# KiCad board Register File.kicad_pcb (continued)
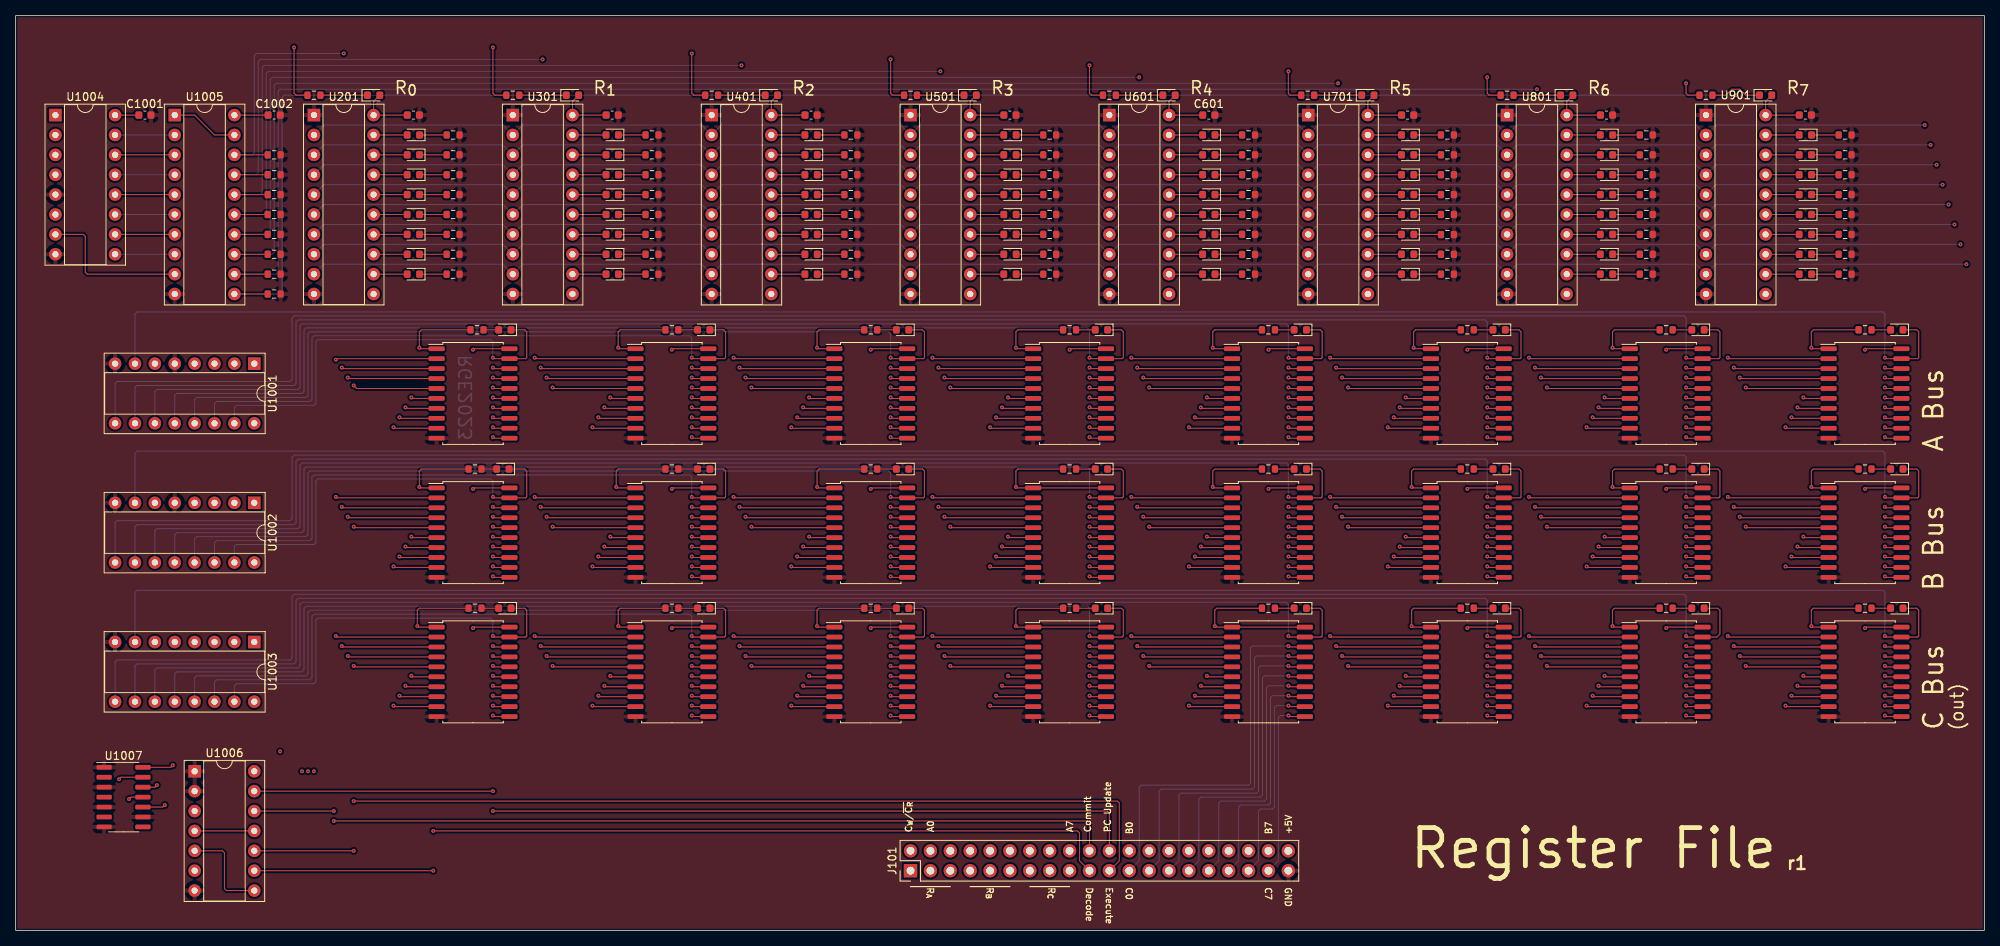
[diagram p0: board, top side]
## Routing (per net, layer and track width the routed paths; a pad name or vN(x,y) marks a point on that pad's centre or on a via; arc(x,y) is an arc through that point) (continued)
/Register 0/C0: length 532.5
  Top w0.127: v1(238.76,36.32) 238.89,36.19 U904.18 ; U304.18 86.49,36.19 v1(86.36,36.32) ; v1(137.16,36.32) 137.29,36.19 U504.18 ; v1(162.56,36.32) 162.69,36.19 U604.18 ; v1(213.36,36.32) 213.49,36.19 U804.18 ; U704.18 188.09,36.19 v1(187.96,36.32) ; U204.18 61.09,36.19 v1(60.96,36.32) ; U404.18 111.89,36.19 v1(111.76,36.32)
  In1.Cu w0.127: v1(238.76,36.32) 243.59,36.32 243.84,36.58 v1(243.84,102.87)
  In2.Cu w0.127: v1(238.76,36.32) 238,37.08 219.2,37.08 218.69,36.58 213.61,36.58 v1(213.36,36.32) 212.6,37.08 193.8,37.08 193.29,36.58 188.21,36.58 v1(187.96,36.32) 187.2,37.08 168.4,37.08 167.89,36.58 162.81,36.58 v1(162.56,36.32) 161.8,37.08 142.75,37.08 142.24,36.58 137.41,36.58 v1(137.16,36.32) 136.4,37.08 117.6,37.08 117.09,36.58 112.01,36.58 v1(111.76,36.32) 111,37.08 92.2,37.08 91.69,36.58 86.61,36.58 v1(86.36,36.32) 85.6,37.08 66.8,37.08 66.29,36.58 61.21,36.58 v1(60.96,36.32)
  Bottom w0.127: U201.2 39.37,102.87 62.23,102.87 U301.2 64.77,102.87 87.63,102.87 U401.2 90.17,102.87 113.03,102.87 U501.2 115.57,102.87 138.43,102.87 U601.2 140.97,102.87 163.83,102.87 U701.2 166.37,102.87 189.23,102.87 U801.2 191.77,102.87 214.63,102.87 U901.2 217.17,102.87 v1(243.84,102.87) ; J101.23 143.51,8.89 143.51,18.29 143.76,18.54 157.48,18.54 157.73,18.8 157.73,36.07 157.99,36.32 v1(162.56,36.32)
/Register 0/C1: length 528.9
  Top w0.127: U704.17 188.09,34.92 v1(187.96,35.05) ; U204.17 61.09,34.92 v1(60.96,35.05) ; v1(162.56,35.05) 162.69,34.92 U604.17 ; v1(86.36,35.05) 86.49,34.92 U304.17 ; v1(111.76,35.05) 111.89,34.92 U404.17 ; U504.17 137.29,34.92 v1(137.16,35.05) ; U904.17 238.89,34.92 v1(238.76,35.05) ; v1(213.36,35.05) 213.49,34.92 U804.17
  In1.Cu w0.127: v1(244.6,100.33) 244.6,35.31 244.35,35.05 v1(238.76,35.05)
  In2.Cu w0.127: v1(238.76,35.05) 238,35.81 219.96,35.81 219.46,35.31 213.61,35.31 v1(213.36,35.05) 212.6,35.81 194.56,35.81 194.06,35.31 188.21,35.31 v1(187.96,35.05) 187.2,35.81 169.16,35.81 168.66,35.31 162.81,35.31 v1(162.56,35.05) 161.8,35.81 143.76,35.81 143.26,35.31 137.41,35.31 v1(137.16,35.05) 136.4,35.81 118.36,35.81 117.86,35.31 112.01,35.31 v1(111.76,35.05) 111,35.81 92.96,35.81 92.46,35.31 86.61,35.31 v1(86.36,35.05) 85.6,35.81 67.56,35.81 67.06,35.31 61.21,35.31 v1(60.96,35.05)
  Bottom w0.127: v1(162.56,35.05) 158.5,35.05 158.24,34.8 158.24,18.29 157.99,18.03 146.3,18.03 146.05,17.78 146.05,8.89 J101.25 ; U201.3 39.37,100.33 62.23,100.33 U301.3 64.77,100.33 87.63,100.33 U401.3 90.17,100.33 113.03,100.33 U501.3 115.57,100.33 138.43,100.33 U601.3 140.97,100.33 163.83,100.33 U701.3 166.37,100.33 189.23,100.33 U801.3 191.77,100.33 214.63,100.33 U901.3 217.17,100.33 v1(244.6,100.33)
/Register 0/C2: length 525.4
  Top w0.127: v1(213.36,33.78) 213.49,33.65 U804.16 ; v1(187.96,33.78) 188.09,33.65 U704.16 ; U604.16 162.69,33.65 v1(162.56,33.78) ; U904.16 238.89,33.65 v1(238.76,33.78) ; U404.16 111.89,33.65 v1(111.76,33.78) ; v1(60.96,33.78) 61.09,33.65 U204.16 ; U304.16 86.49,33.65 v1(86.36,33.78) ; U504.16 137.29,33.65 v1(137.16,33.78)
  In1.Cu w0.127: v1(238.76,33.78) 245.11,33.78 245.36,34.04 v1(245.36,97.79)
  In2.Cu w0.127: v1(60.96,33.78) 61.21,34.04 67.82,34.04 68.33,34.54 85.59,34.54 85.59,34.54 85.6,34.54 v1(86.36,33.78) 86.61,34.04 93.22,34.04 93.73,34.54 111,34.54 v1(111.76,33.78) 112.01,34.04 118.62,34.04 119.13,34.54 136.4,34.54 v1(137.16,33.78) 137.41,34.04 144.02,34.04 144.53,34.54 161.8,34.54 v1(162.56,33.78) 162.81,34.04 169.42,34.04 169.93,34.54 187.2,34.54 v1(187.96,33.78) 188.21,34.04 194.82,34.04 195.33,34.54 212.6,34.54 v1(213.36,33.78) 213.61,34.04 220.22,34.04 220.73,34.54 238,34.54 v1(238.76,33.78)
  Bottom w0.127: v1(162.56,33.78) 159,33.78 158.75,33.53 158.75,17.78 158.5,17.53 148.84,17.53 148.59,17.27 148.59,8.89 J101.27 ; U201.4 39.37,97.79 62.23,97.79 U301.4 64.77,97.79 87.63,97.79 U401.4 90.17,97.79 113.03,97.79 U501.4 115.57,97.79 138.43,97.79 U601.4 140.97,97.79 163.83,97.79 U701.4 166.37,97.79 189.23,97.79 U801.4 191.77,97.79 214.63,97.79 U901.4 217.17,97.79 v1(245.36,97.79)
/Register 0/C3: length 521.8
  Top w0.127: v1(86.36,32.51) 86.49,32.38 U304.15 ; v1(187.96,32.51) 188.09,32.38 U704.15 ; v1(137.16,32.51) 137.29,32.38 U504.15 ; U804.15 213.49,32.38 v1(213.36,32.51) ; v1(238.76,32.51) 238.89,32.38 U904.15 ; U404.15 111.89,32.38 v1(111.76,32.51) ; v1(60.96,32.51) 61.09,32.38 U204.15 ; U604.15 162.69,32.38 v1(162.56,32.51)
  In1.Cu w0.127: v1(246.13,95.25) 246.13,32.77 245.87,32.51 v1(238.76,32.51)
  In2.Cu w0.127: v1(238.76,32.51) 238,33.27 221.49,33.27 220.98,32.77 213.61,32.77 v1(213.36,32.51) 212.6,33.27 196.09,33.27 195.58,32.77 188.21,32.77 v1(187.96,32.51) 187.2,33.27 170.69,33.27 170.18,32.77 162.81,32.77 v1(162.56,32.51) 161.8,33.27 145.29,33.27 144.78,32.77 137.41,32.77 v1(137.16,32.51) 136.4,33.27 119.89,33.27 119.38,32.77 112.01,32.77 v1(111.76,32.51) 111,33.27 94.49,33.27 93.98,32.77 86.61,32.77 v1(86.36,32.51) 85.6,33.27 69.09,33.27 68.58,32.77 61.21,32.77 v1(60.96,32.51)
  Bottom w0.127: U201.5 39.37,95.25 62.23,95.25 U301.5 64.77,95.25 87.63,95.25 U401.5 90.17,95.25 113.03,95.25 U501.5 115.57,95.25 138.43,95.25 U601.5 140.97,95.25 163.83,95.25 U701.5 166.37,95.25 189.23,95.25 U801.5 191.77,95.25 214.63,95.25 U901.5 217.17,95.25 v1(246.13,95.25) ; J101.29 151.13,8.89 151.13,16.76 151.38,17.02 159,17.02 159.26,17.27 159.26,32.26 159.51,32.51 v1(162.56,32.51)
/Register 0/C4: length 520.3
  Top w0.127: U404.14 111.89,31.11 v1(111.76,31.24) ; v1(238.76,31.24) 238.89,31.11 U904.14 ; U504.14 137.29,31.11 v1(137.16,31.24) ; U604.14 162.69,31.11 v1(162.56,31.24) ; v1(60.96,31.24) 61.09,31.11 U204.14 ; v1(187.96,31.24) 188.09,31.11 U704.14 ; U804.14 213.49,31.11 v1(213.36,31.24) ; U304.14 86.49,31.11 v1(86.36,31.24)
  In1.Cu w0.127: v1(238.76,31.24) 246.63,31.24 246.89,31.5 v1(246.89,92.71)
  In2.Cu w0.127: v1(238.76,31.24) 238.51,31.5 228.09,31.5 227.58,32 213.61,32 213.36,31.75 v1(213.36,31.24) 213.11,31.5 202.69,31.5 202.18,32 188.21,32 187.96,31.75 v1(187.96,31.24) 187.71,31.5 177.29,31.5 176.78,32 162.81,32 162.56,31.75 v1(162.56,31.24) 162.31,31.5 151.89,31.5 151.38,32 137.41,32 137.16,31.75 v1(137.16,31.24) 136.91,31.5 126.49,31.5 125.98,32 112.01,32 111.76,31.75 v1(111.76,31.24) 111.51,31.5 101.09,31.5 100.58,32 86.61,32 86.36,31.75 v1(86.36,31.24) 86.11,31.5 75.69,31.5 75.18,32 61.21,32 60.96,31.75 v1(60.96,31.24)
  Bottom w0.127: J101.31 153.67,8.89 153.67,16.26 153.92,16.51 159.51,16.51 159.77,16.76 159.77,30.99 160.02,31.24 v1(162.56,31.24) ; v1(246.89,92.71) 217.17,92.71 U901.6 214.63,92.71 191.77,92.71 U801.6 189.23,92.71 166.37,92.71 U701.6 163.83,92.71 140.97,92.71 U601.6 138.43,92.71 115.57,92.71 U501.6 113.03,92.71 90.17,92.71 U401.6 87.63,92.71 64.77,92.71 U301.6 62.23,92.71 39.37,92.71 U201.6
/Register 0/C5: length 516.8
  Top w0.127: v1(60.96,29.97) 61.09,29.84 U204.13 ; v1(187.96,29.97) 188.09,29.84 U704.13 ; U804.13 213.49,29.84 v1(213.36,29.97) ; v1(162.56,29.97) 162.69,29.84 U604.13 ; U304.13 86.49,29.84 v1(86.36,29.97) ; v1(238.76,29.97) 238.89,29.84 U904.13 ; U504.13 137.29,29.84 v1(137.16,29.97) ; U404.13 111.89,29.84 v1(111.76,29.97)
  In1.Cu w0.127: v1(238.76,29.97) 247.4,29.97 247.65,30.23 v1(247.65,90.17)
  In2.Cu w0.127: v1(238.76,29.97) 238.51,30.23 227.33,30.23 226.82,30.73 213.61,30.73 213.36,30.48 v1(213.36,29.97) 213.11,30.23 201.93,30.23 201.42,30.73 188.21,30.73 187.96,30.48 v1(187.96,29.97) 187.71,30.23 176.53,30.23 176.02,30.73 162.81,30.73 162.56,30.48 v1(162.56,29.97) 162.31,30.23 151.13,30.23 150.62,30.73 137.41,30.73 137.16,30.48 v1(137.16,29.97) 136.91,30.23 125.73,30.23 125.22,30.73 112.01,30.73 111.76,30.48 v1(111.76,29.97) 111.51,30.23 100.33,30.23 99.82,30.73 86.61,30.73 86.36,30.48 v1(86.36,29.97) 86.11,30.23 74.93,30.23 74.42,30.73 61.21,30.73 60.96,30.48 v1(60.96,29.97)
  Bottom w0.127: U201.7 39.37,90.17 62.23,90.17 U301.7 64.77,90.17 87.63,90.17 U401.7 90.17,90.17 113.03,90.17 U501.7 115.57,90.17 138.43,90.17 U601.7 140.97,90.17 163.83,90.17 U701.7 166.37,90.17 189.23,90.17 U801.7 191.77,90.17 214.63,90.17 U901.7 217.17,90.17 v1(247.65,90.17) ; v1(162.56,29.97) 160.53,29.97 160.27,29.72 160.27,16.26 160.02,16 156.46,16 156.21,15.75 156.21,8.89 J101.33
/Register 0/C6: length 513.2
  Top w0.127: U704.12 188.09,28.57 v1(187.96,28.7) ; U404.12 111.89,28.57 v1(111.76,28.7) ; U504.12 137.29,28.57 v1(137.16,28.7) ; v1(162.56,28.7) 162.69,28.57 U604.12 ; U804.12 213.49,28.57 v1(213.36,28.7) ; U904.12 238.89,28.57 v1(238.76,28.7) ; U204.12 61.09,28.57 v1(60.96,28.7) ; U304.12 86.49,28.57 v1(86.36,28.7)
  In1.Cu w0.127: v1(238.76,28.7) 248.16,28.7 248.41,28.96 v1(248.41,87.63)
  In2.Cu w0.127: v1(238.76,28.7) 238.51,28.96 226.57,28.96 226.06,29.46 213.61,29.46 213.36,29.21 v1(213.36,28.7) 213.11,28.96 201.17,28.96 200.66,29.46 188.21,29.46 187.96,29.21 v1(187.96,28.7) 187.71,28.96 175.77,28.96 175.26,29.46 162.81,29.46 162.56,29.21 v1(162.56,28.7) 162.31,28.96 150.37,28.96 149.86,29.46 137.41,29.46 137.16,29.21 v1(137.16,28.7) 136.91,28.96 124.97,28.96 124.46,29.46 112.01,29.46 111.76,29.21 v1(111.76,28.7) 111.51,28.96 99.57,28.96 99.06,29.46 86.61,29.46 86.36,29.21 v1(86.36,28.7) 86.11,28.96 74.17,28.96 73.66,29.46 61.21,29.46 60.96,29.21 v1(60.96,28.7)
  Bottom w0.127: J101.35 158.75,8.89 158.75,15.24 159,15.49 160.53,15.49 160.78,15.75 160.78,28.45 161.04,28.7 v1(162.56,28.7) ; v1(248.41,87.63) 217.17,87.63 U901.8 214.63,87.63 191.77,87.63 U801.8 189.23,87.63 166.37,87.63 U701.8 163.83,87.63 140.97,87.63 U601.8 138.43,87.63 115.57,87.63 U501.8 113.03,87.63 90.17,87.63 U401.8 87.63,87.63 64.77,87.63 U301.8 62.23,87.63 39.37,87.63 U201.8
/Register 0/C7: length 509.9
  Top w0.127: U604.11 162.69,27.3 v1(162.56,27.43) ; U804.11 213.49,27.3 v1(213.36,27.43) ; v1(187.96,27.43) 188.09,27.3 U704.11 ; U504.11 137.29,27.3 v1(137.16,27.43) ; U904.11 238.89,27.3 v1(238.76,27.43) ; U304.11 86.49,27.3 v1(86.36,27.43) ; U404.11 111.89,27.3 v1(111.76,27.43) ; v1(60.96,27.43) 61.09,27.3 U204.11
  In1.Cu w0.127: v1(249.17,85.09) 249.17,27.69 248.92,27.43 v1(238.76,27.43)
  In2.Cu w0.127: v1(60.96,27.43) 60.96,27.94 61.21,28.19 72.9,28.19 73.41,27.69 86.11,27.69 v1(86.36,27.43) 86.36,27.94 86.61,28.19 98.3,28.19 98.81,27.69 111.51,27.69 v1(111.76,27.43) 111.76,27.94 112.01,28.19 123.7,28.19 124.21,27.69 136.91,27.69 v1(137.16,27.43) 137.16,27.94 137.41,28.19 149.1,28.19 149.61,27.69 162.31,27.69 v1(162.56,27.43) 162.56,27.94 162.81,28.19 174.5,28.19 175.01,27.69 187.71,27.69 v1(187.96,27.43) 187.96,27.94 188.21,28.19 199.9,28.19 200.41,27.69 213.11,27.69 v1(213.36,27.43) 213.36,27.94 213.61,28.19 225.3,28.19 225.81,27.69 238.51,27.69 v1(238.76,27.43)
  Bottom w0.127: v1(162.56,27.43) 161.54,27.43 161.29,27.18 161.29,8.89 J101.37 ; v1(249.17,85.09) 217.17,85.09 U901.9 214.63,85.09 191.77,85.09 U801.9 189.23,85.09 166.37,85.09 U701.9 163.83,85.09 140.97,85.09 U601.9 138.43,85.09 115.57,85.09 U501.9 113.03,85.09 90.17,85.09 U401.9 87.63,85.09 64.77,85.09 U301.9 62.23,85.09 39.37,85.09 U201.9
/Register 0/r0: length 111.8
  Top w0.127: U201.19 D201.2 ; v1(40.89,37.59) 41.02,37.46 53.77,37.46 ; 53.77,55.24 41.02,55.24 v1(40.89,55.37) ; v1(40.89,72.9) 41.02,73.02 U202.2
  In1.Cu w0.127: v1(40.89,37.59) v1(40.89,55.37) 40.89,101.35 41.15,101.6 U201.19
/Register 0/r1: length 107.4
  Top w0.127: U203.3 41.78,53.97 v1(41.66,54.1) ; U204.3 41.78,36.19 v1(41.66,36.32) ; 53.77,71.75 41.78,71.75 v1(41.66,71.88) ; U201.18 D202.2
  In1.Cu w0.127: v1(41.66,36.32) v1(41.66,54.1) v1(41.66,71.88) 41.66,98.81 41.91,99.06 U201.18
/Register 0/r2: length 103.1
  Top w0.127: v1(42.42,35.05) 42.55,34.92 U204.4 ; v1(42.42,52.83) 42.55,52.7 U203.4 ; U202.4 42.55,70.48 v1(42.42,70.61) ; U201.17 D203.2
  In1.Cu w0.127: v1(42.42,35.05) v1(42.42,52.83) 42.42,96.27 42.67,96.52 U201.17
/Register 0/r3: length 98.9
  Top w0.127: U204.5 43.31,33.65 v1(43.18,33.78) ; v1(43.18,51.56) 43.31,51.43 U203.5 ; U202.5 43.56,69.21 v1(43.18,69.6) ; U201.16 D204.2
  In1.Cu w0.127: U201.16 43.43,93.98 43.18,93.73 v1(43.18,69.6) v1(43.18,51.56) v1(43.18,33.78)
/Register 0/r4: length 77.7
  Top w0.127: v1(50.55,50.29) 50.67,50.16 U203.6 ; v1(50.55,68.07) 50.67,67.94 U202.6 ; v1(50.55,32.51) 50.67,32.38 U204.6 ; U201.15 D205.2
  In1.Cu w0.127: v1(50.55,32.51) v1(50.55,50.29) v1(50.55,68.07) 50.55,91.19 50.29,91.44 U201.15
/Register 0/r5: length 78
  Top w0.127: v1(49.78,49.02) 49.91,48.89 U203.7 ; U201.14 D206.2 ; U204.7 49.91,31.11 v1(49.78,31.24) ; v1(49.78,66.8) 49.91,66.67 U202.7
  In1.Cu w0.127: U201.14 49.53,88.9 49.78,88.65 v1(49.78,66.8) v1(49.78,49.02) v1(49.78,31.24)
/Register 0/r6: length 78.2
  Top w0.127: v1(49.02,29.97) 49.15,29.84 U204.8 ; v1(49.02,47.75) 49.15,47.62 53.77,47.62 ; U202.8 49.15,65.4 v1(49.02,65.53) ; U201.13 D207.2
  In1.Cu w0.127: v1(49.02,29.97) v1(49.02,47.75) v1(49.02,65.53) 49.02,86.11 48.77,86.36 U201.13
/Register 0/r7: length 78.5
  Top w0.127: v1(48.26,64.26) 48.39,64.13 U202.9 ; v1(48.26,46.48) 48.39,46.35 U203.9 ; v1(48.26,28.7) 48.39,28.57 U204.9 ; U201.12 D208.2
  In1.Cu w0.127: U201.12 48.01,83.82 48.26,83.57 v1(48.26,64.26) v1(48.26,46.48) v1(48.26,28.7)
/Register 1/r0: length 111.8
  Top w0.127: 79.17,55.24 66.42,55.24 v1(66.29,55.37) ; U302.2 66.42,73.02 v1(66.29,73.15) ; U301.19 D301.2 ; v1(66.29,37.59) 66.42,37.46 79.17,37.46
  In1.Cu w0.127: v1(66.29,37.59) v1(66.29,55.37) v1(66.29,73.15) 66.29,101.35 66.55,101.6 U301.19
/Register 1/r1: length 107.4
  Top w0.127: U301.18 D302.2 ; U304.3 67.18,36.19 v1(67.06,36.32) ; v1(67.06,54.1) 67.18,53.97 U303.3 ; v1(67.06,71.88) 67.18,71.75 79.17,71.75
  In1.Cu w0.127: U301.18 67.31,99.06 67.06,98.81 v1(67.06,71.88) v1(67.06,54.1) v1(67.06,36.32)
/Register 1/r2: length 103.1
  Top w0.127: U304.4 67.94,34.92 v1(67.82,35.05) ; v1(67.82,70.61) 67.94,70.48 U302.4 ; v1(67.82,52.83) 67.94,52.7 U303.4 ; U301.17 D303.2
  In1.Cu w0.127: U301.17 68.07,96.52 67.82,96.27 v1(67.82,70.61) v1(67.82,52.83) v1(67.82,35.05)
/Register 1/r3: length 98.8
  Top w0.127: v1(68.58,69.34) 68.71,69.21 U302.5 ; v1(68.58,33.78) 68.71,33.65 U304.5 ; v1(68.58,51.56) 68.71,51.43 U303.5 ; U301.16 D304.2
  In1.Cu w0.127: U301.16 68.83,93.98 68.58,93.73 v1(68.58,69.34) v1(68.58,51.56) v1(68.58,33.78)
/Register 1/r4: length 77.7
  Top w0.127: U301.15 D305.2 ; U303.6 76.07,50.16 v1(75.95,50.29) ; v1(75.95,68.07) 76.07,67.94 U302.6 ; U304.6 76.07,32.38 v1(75.95,32.51)
  In1.Cu w0.127: U301.15 75.69,91.44 75.95,91.19 v1(75.95,68.07) v1(75.95,50.29) v1(75.95,32.51)
/Register 1/r5: length 78
  Top w0.127: v1(75.18,66.8) 75.31,66.67 U302.7 ; U303.7 75.31,48.89 v1(75.18,49.02) ; U301.14 D306.2 ; v1(75.18,31.24) 75.31,31.11 U304.7
  In1.Cu w0.127: U301.14 74.93,88.9 75.18,88.65 v1(75.18,66.8) v1(75.18,49.02) v1(75.18,31.24)
/Register 1/r6: length 78.2
  Top w0.127: v1(74.42,65.53) 74.55,65.4 U302.8 ; v1(74.42,29.97) 74.55,29.84 U304.8 ; 79.17,47.62 74.55,47.62 v1(74.42,47.75) ; U301.13 D307.2
  In1.Cu w0.127: v1(74.42,29.97) v1(74.42,47.75) v1(74.42,65.53) 74.42,86.11 74.17,86.36 U301.13
/Register 1/r7: length 78.5
  Top w0.127: U303.9 73.79,46.35 v1(73.66,46.48) ; v1(73.66,28.7) 73.79,28.57 U304.9 ; U302.9 73.79,64.13 v1(73.66,64.26) ; U301.12 D308.2
  In1.Cu w0.127: U301.12 73.41,83.82 73.66,83.57 v1(73.66,64.26) v1(73.66,46.48) v1(73.66,28.7)
/Register 2/r0: length 111.8
  Top w0.127: v1(91.69,37.59) 91.82,37.46 104.57,37.46 ; v1(91.69,55.37) 91.82,55.24 104.57,55.24 ; v1(91.69,73.15) 91.82,73.02 U402.2 ; U401.19 D401.2
  In1.Cu w0.127: v1(91.69,37.59) v1(91.69,55.37) v1(91.69,73.15) 91.69,101.35 91.95,101.6 U401.19
/Register 2/r1: length 107.4
  Top w0.127: U404.3 92.58,36.19 v1(92.46,36.32) ; U401.18 D402.2 ; 104.57,71.75 92.58,71.75 v1(92.46,71.88) ; U403.3 92.58,53.97 v1(92.46,54.1)
  In1.Cu w0.127: U401.18 92.71,99.06 92.46,98.81 v1(92.46,71.88) v1(92.46,54.1) v1(92.46,36.32)
/Register 2/r2: length 103.1
  Top w0.127: U403.4 93.34,52.7 v1(93.22,52.83) ; U404.4 93.34,34.92 v1(93.22,35.05) ; U401.17 D403.2 ; U402.4 93.34,70.48 v1(93.22,70.61)
  In1.Cu w0.127: U401.17 93.47,96.52 93.22,96.27 v1(93.22,70.61) v1(93.22,52.83) v1(93.22,35.05)
/Register 2/r3: length 98.8
  Top w0.127: v1(93.98,33.78) 94.11,33.65 U404.5 ; U401.16 D404.2 ; v1(93.98,51.56) 94.11,51.43 U403.5 ; v1(93.98,69.34) 94.11,69.21 U402.5
  In1.Cu w0.127: v1(93.98,33.78) v1(93.98,51.56) v1(93.98,69.34) 93.98,93.73 94.23,93.98 U401.16
/Register 2/r4: length 77.7
  Top w0.127: U401.15 D405.2 ; U402.6 101.47,67.94 v1(101.35,68.07) ; v1(101.35,32.51) 101.47,32.38 U404.6 ; U403.6 101.47,50.16 v1(101.35,50.29)
  In1.Cu w0.127: U401.15 101.09,91.44 101.35,91.19 v1(101.35,68.07) v1(101.35,50.29) v1(101.35,32.51)
/Register 2/r5: length 78
  Top w0.127: v1(100.58,31.24) 100.71,31.11 U404.7 ; v1(100.58,49.02) 100.71,48.89 U403.7 ; v1(100.58,66.8) 100.71,66.67 U402.7 ; U401.14 D406.2
  In1.Cu w0.127: U401.14 100.33,88.9 100.58,88.65 v1(100.58,66.8) v1(100.58,49.02) v1(100.58,31.24)
/Register 2/r6: length 78.2
  Top w0.127: v1(99.82,47.75) 99.95,47.62 104.57,47.62 ; v1(99.82,65.53) 99.95,65.4 U402.8 ; U404.8 99.95,29.84 v1(99.82,29.97) ; U401.13 D407.2
  In1.Cu w0.127: v1(99.82,29.97) v1(99.82,47.75) v1(99.82,65.53) 99.82,86.11 99.57,86.36 U401.13
/Register 2/r7: length 78.5
  Top w0.127: v1(99.06,28.7) 99.19,28.57 U404.9 ; v1(99.06,46.48) 99.19,46.35 U403.9 ; U401.12 D408.2 ; U402.9 99.19,64.13 v1(99.06,64.26)
  In1.Cu w0.127: v1(99.06,28.7) v1(99.06,46.48) v1(99.06,64.26) 99.06,83.57 98.81,83.82 U401.12
/Register 3/r0: length 111.8
  Top w0.127: U502.2 117.22,73.02 v1(117.09,73.15) ; v1(117.09,55.37) 117.22,55.24 129.97,55.24 ; U501.19 D501.2 ; 129.97,37.46 117.22,37.46 v1(117.09,37.59)
  In1.Cu w0.127: U501.19 117.35,101.6 117.09,101.35 v1(117.09,73.15) v1(117.09,55.37) v1(117.09,37.59)
/Register 3/r1: length 107.4
  Top w0.127: v1(117.86,54.1) 117.98,53.97 U503.3 ; v1(117.86,36.32) 117.98,36.19 U504.3 ; v1(117.86,71.88) 117.98,71.75 129.97,71.75 ; U501.18 D502.2
  In1.Cu w0.127: v1(117.86,36.32) v1(117.86,54.1) v1(117.86,71.88) 117.86,98.81 118.11,99.06 U501.18
/Register 3/r2: length 103.1
  Top w0.127: v1(118.62,35.05) 118.74,34.92 U504.4 ; U501.17 D503.2 ; U502.4 118.74,70.48 v1(118.62,70.61) ; v1(118.62,52.83) 118.74,52.7 U503.4
  In1.Cu w0.127: v1(118.62,35.05) v1(118.62,52.83) v1(118.62,70.61) 118.62,96.27 118.87,96.52 U501.17
/Register 3/r3: length 98.8
  Top w0.127: v1(119.38,69.34) 119.51,69.21 U502.5 ; U504.5 119.51,33.65 v1(119.38,33.78) ; U501.16 D504.2 ; v1(119.38,51.56) 119.51,51.43 U503.5
  In1.Cu w0.127: U501.16 119.63,93.98 119.38,93.73 v1(119.38,69.34) v1(119.38,51.56) v1(119.38,33.78)
/Register 3/r4: length 77.7
  Top w0.127: U501.15 D505.2 ; U503.6 126.87,50.16 v1(126.75,50.29) ; U504.6 126.87,32.38 v1(126.75,32.51) ; U502.6 126.87,67.94 v1(126.75,68.07)
  In1.Cu w0.127: U501.15 126.49,91.44 126.75,91.19 v1(126.75,68.07) v1(126.75,50.29) v1(126.75,32.51)
/Register 3/r5: length 78
  Top w0.127: U504.7 126.11,31.11 v1(125.98,31.24) ; U501.14 D506.2 ; U502.7 126.11,66.67 v1(125.98,66.8) ; U503.7 126.11,48.89 v1(125.98,49.02)
  In1.Cu w0.127: v1(125.98,31.24) v1(125.98,49.02) v1(125.98,66.8) 125.98,88.65 125.73,88.9 U501.14
/Register 3/r6: length 78.2
  Top w0.127: v1(125.22,47.75) 125.35,47.62 129.97,47.62 ; U501.13 D507.2 ; v1(125.22,65.53) 125.35,65.4 U502.8 ; U504.8 125.35,29.84 v1(125.22,29.97)
  In1.Cu w0.127: U501.13 124.97,86.36 125.22,86.11 v1(125.22,65.53) v1(125.22,47.75) v1(125.22,29.97)
/Register 3/r7: length 78.5
  Top w0.127: U504.9 124.59,28.57 v1(124.46,28.7) ; U501.12 D508.2 ; U503.9 124.59,46.35 v1(124.46,46.48) ; v1(124.46,64.26) 124.59,64.13 U502.9
  In1.Cu w0.127: U501.12 124.21,83.82 124.46,83.57 v1(124.46,64.26) v1(124.46,46.48) v1(124.46,28.7)
/Register 4/r0: length 111.8
  Top w0.127: v1(142.49,37.59) 142.62,37.46 155.37,37.46 ; U601.19 D601.2 ; v1(142.49,55.37) 142.62,55.24 155.37,55.24 ; U602.2 142.62,73.02 v1(142.49,73.15)
  In1.Cu w0.127: v1(142.49,37.59) v1(142.49,55.37) v1(142.49,73.15) 142.49,101.35 142.75,101.6 U601.19
/Register 4/r1: length 107.4
  Top w0.127: v1(143.26,36.32) 143.38,36.19 U604.3 ; 155.37,71.75 143.38,71.75 v1(143.26,71.88) ; v1(143.26,54.1) 143.38,53.97 U603.3 ; U601.18 D602.2
  In1.Cu w0.127: U601.18 143.51,99.06 143.26,98.81 v1(143.26,71.88) v1(143.26,54.1) v1(143.26,36.32)
/Register 4/r2: length 103.1
  Top w0.127: v1(144.02,70.61) 144.15,70.48 U602.4 ; v1(144.02,35.05) 144.15,34.92 U604.4 ; U603.4 144.15,52.7 v1(144.02,52.83) ; U601.17 D603.2
  In1.Cu w0.127: v1(144.02,35.05) v1(144.02,52.83) v1(144.02,70.61) 144.02,96.27 144.27,96.52 U601.17
/Register 4/r3: length 98.8
  Top w0.127: v1(144.78,33.78) 144.91,33.65 U604.5 ; U601.16 D604.2 ; U602.5 144.91,69.21 v1(144.78,69.34) ; v1(144.78,51.56) 144.91,51.43 U603.5
  In1.Cu w0.127: U601.16 145.03,93.98 144.78,93.73 v1(144.78,69.34) v1(144.78,51.56) v1(144.78,33.78)
/Register 4/r4: length 77.7
  Top w0.127: U601.15 D605.2 ; v1(152.15,68.07) 152.27,67.94 U602.6 ; v1(152.15,50.29) 152.27,50.16 U603.6 ; U604.6 152.27,32.38 v1(152.15,32.51)
  In1.Cu w0.127: v1(152.15,32.51) v1(152.15,50.29) v1(152.15,68.07) 152.15,91.19 151.89,91.44 U601.15
/Register 4/r5: length 78
  Top w0.127: U603.7 151.51,48.89 v1(151.38,49.02) ; U601.14 D606.2 ; U604.7 151.51,31.11 v1(151.38,31.24) ; U602.7 151.51,66.67 v1(151.38,66.8)
  In1.Cu w0.127: U601.14 151.13,88.9 151.38,88.65 v1(151.38,66.8) v1(151.38,49.02) v1(151.38,31.24)
/Register 4/r6: length 78.2
  Top w0.127: U602.8 150.75,65.4 v1(150.62,65.53) ; 155.37,47.62 150.75,47.62 v1(150.62,47.75) ; U601.13 D607.2 ; U604.8 150.75,29.84 v1(150.62,29.97)
  In1.Cu w0.127: v1(150.62,29.97) v1(150.62,47.75) v1(150.62,65.53) 150.62,86.11 150.37,86.36 U601.13
/Register 4/r7: length 78.5
  Top w0.127: U603.9 149.99,46.35 v1(149.86,46.48) ; U604.9 149.99,28.57 v1(149.86,28.7) ; U601.12 D608.2 ; U602.9 149.99,64.13 v1(149.86,64.26)
  In1.Cu w0.127: U601.12 149.61,83.82 149.86,83.57 v1(149.86,64.26) v1(149.86,46.48) v1(149.86,28.7)
/Register 5/r0: length 111.8
  Top w0.127: v1(167.89,55.37) 168.02,55.24 180.77,55.24 ; v1(167.89,73.15) 168.02,73.02 U702.2 ; v1(167.89,37.59) 168.02,37.46 180.77,37.46 ; U701.19 D701.2
  In1.Cu w0.127: U701.19 168.15,101.6 167.89,101.35 v1(167.89,73.15) v1(167.89,55.37) v1(167.89,37.59)
/Register 5/r1: length 107.4
  Top w0.127: U701.18 D702.2 ; U704.3 168.78,36.19 v1(168.66,36.32) ; 180.77,71.75 168.78,71.75 v1(168.66,71.88) ; U703.3 168.78,53.97 v1(168.66,54.1)
  In1.Cu w0.127: v1(168.66,36.32) v1(168.66,54.1) v1(168.66,71.88) 168.66,98.81 168.91,99.06 U701.18
/Register 5/r2: length 103.1
  Top w0.127: U701.17 D703.2 ; U702.4 169.55,70.48 v1(169.42,70.61) ; v1(169.42,52.83) 169.55,52.7 U703.4 ; v1(169.42,35.05) 169.55,34.92 U704.4
  In1.Cu w0.127: v1(169.42,35.05) v1(169.42,52.83) v1(169.42,70.61) 169.42,96.27 169.67,96.52 U701.17
/Register 5/r3: length 98.8
  Top w0.127: U702.5 170.31,69.21 v1(170.18,69.34) ; U701.16 D704.2 ; U703.5 170.31,51.43 v1(170.18,51.56) ; U704.5 170.31,33.65 v1(170.18,33.78)
  In1.Cu w0.127: v1(170.18,33.78) v1(170.18,51.56) v1(170.18,69.34) 170.18,93.73 170.43,93.98 U701.16
/Register 5/r4: length 77.7
  Top w0.127: U701.15 D705.2 ; v1(177.55,68.07) 177.67,67.94 U702.6 ; U703.6 177.67,50.16 v1(177.55,50.29) ; v1(177.55,32.51) 177.67,32.38 U704.6
  In1.Cu w0.127: U701.15 177.29,91.44 177.55,91.19 v1(177.55,68.07) v1(177.55,50.29) v1(177.55,32.51)
/Register 5/r5: length 78
  Top w0.127: v1(176.78,66.8) 176.91,66.67 U702.7 ; U703.7 176.91,48.89 v1(176.78,49.02) ; v1(176.78,31.24) 176.91,31.11 U704.7 ; U701.14 D706.2
  In1.Cu w0.127: U701.14 176.53,88.9 176.78,88.65 v1(176.78,66.8) v1(176.78,49.02) v1(176.78,31.24)
/Register 5/r6: length 78.2
  Top w0.127: U701.13 D707.2 ; U704.8 176.15,29.84 v1(176.02,29.97) ; 180.77,47.62 176.15,47.62 v1(176.02,47.75) ; v1(176.02,65.53) 176.15,65.4 U702.8
  In1.Cu w0.127: U701.13 175.77,86.36 176.02,86.11 v1(176.02,65.53) v1(176.02,47.75) v1(176.02,29.97)
/Register 5/r7: length 78.5
  Top w0.127: v1(175.26,46.48) 175.39,46.35 U703.9 ; v1(175.26,64.26) 175.39,64.13 U702.9 ; U701.12 D708.2 ; v1(175.26,28.7) 175.39,28.57 U704.9
  In1.Cu w0.127: v1(175.26,28.7) v1(175.26,46.48) v1(175.26,64.26) 175.26,83.57 175.01,83.82 U701.12
/Register 6/r0: length 111.8
  Top w0.127: v1(193.29,37.59) 193.42,37.46 206.17,37.46 ; v1(193.29,55.37) 193.42,55.24 206.17,55.24 ; v1(193.29,73.15) 193.42,73.02 U802.2 ; U801.19 D801.2